# Altium PCB lyaptsev_control_board.PcbDoc (continued)
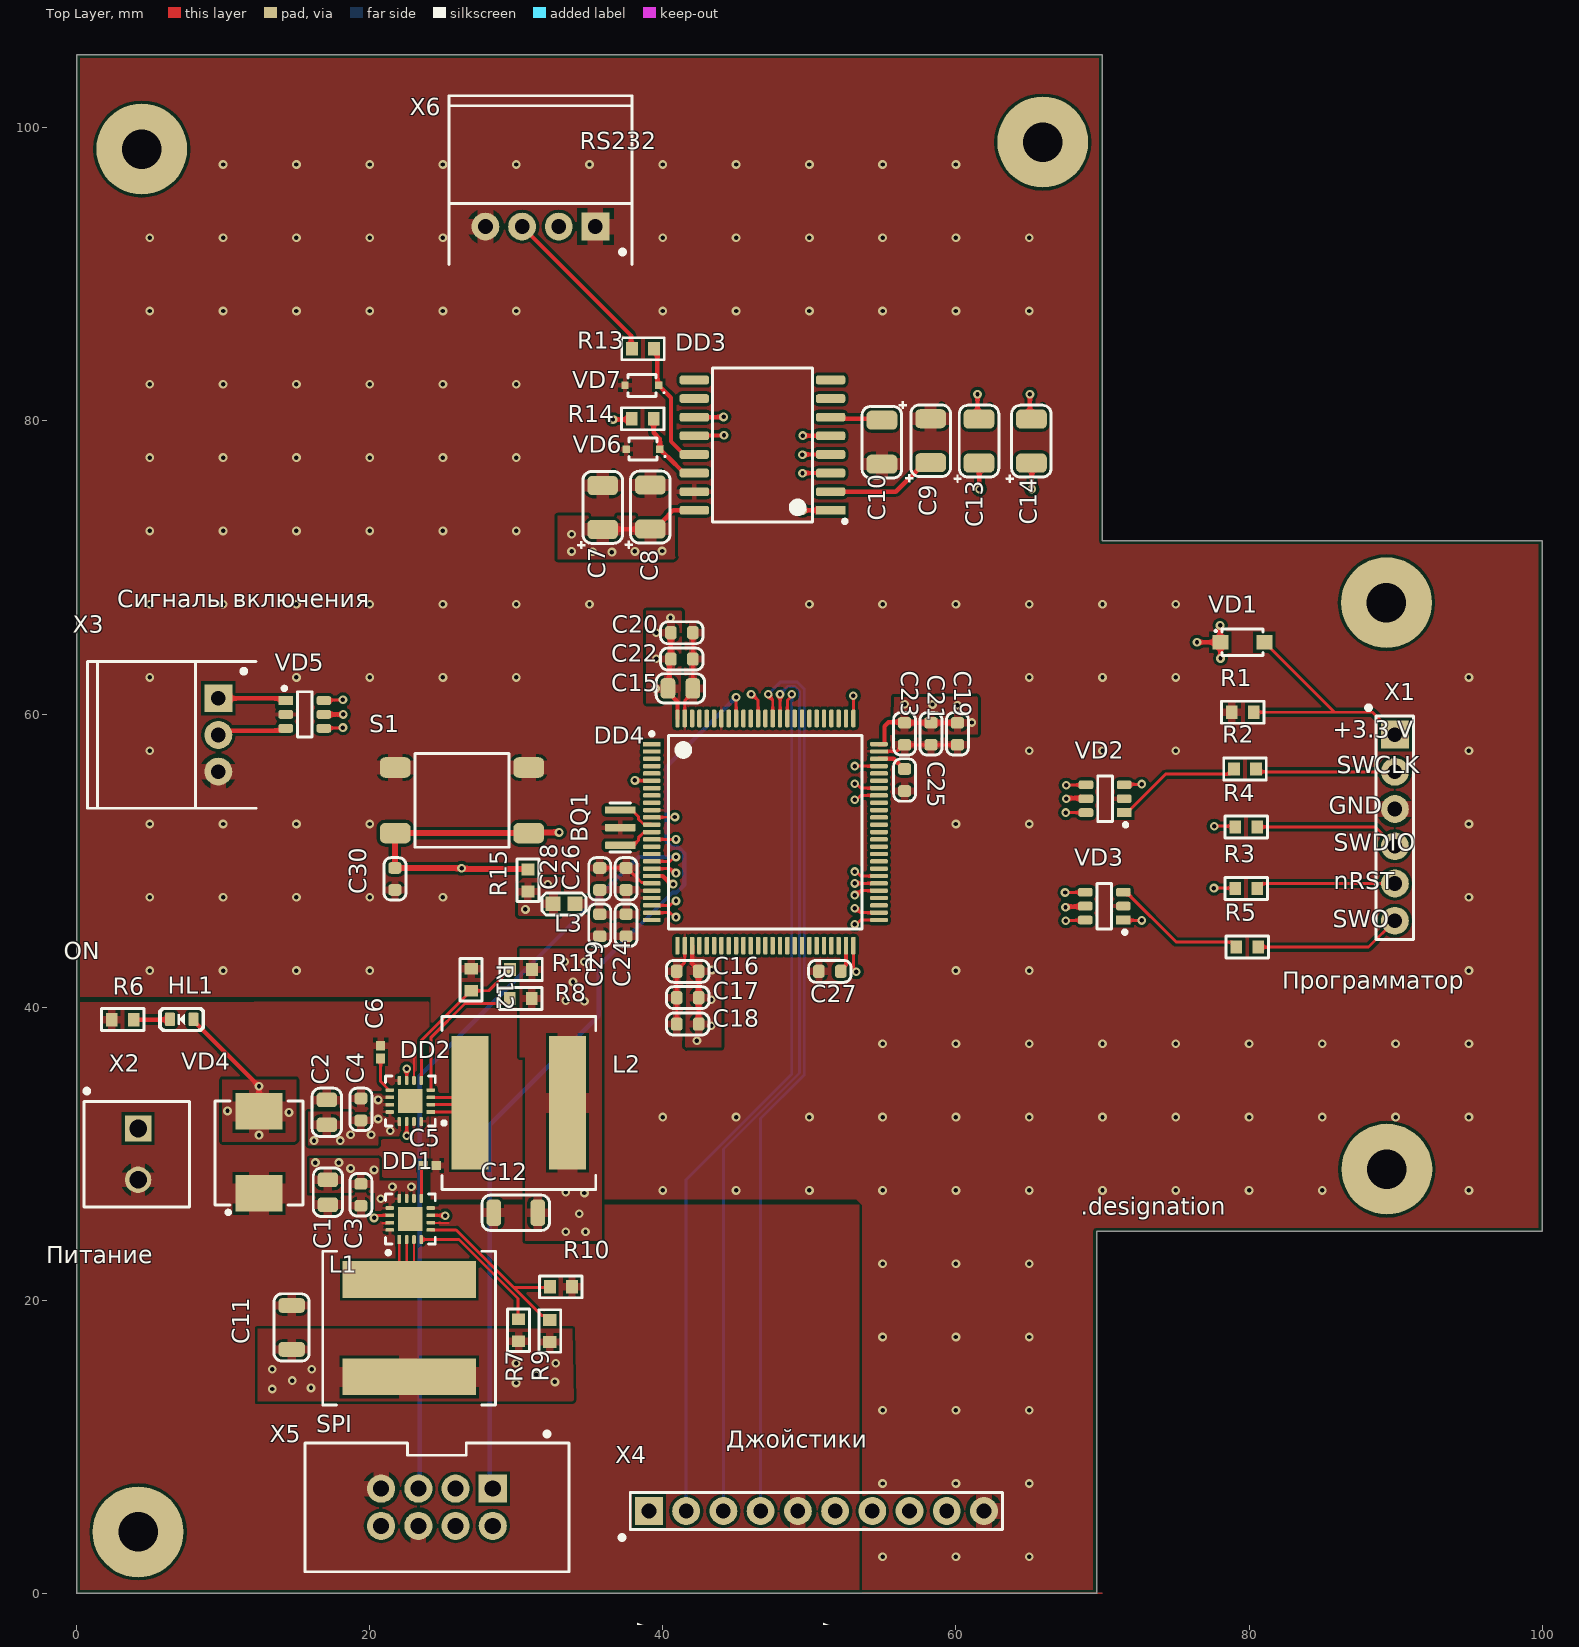
[diagram p0: Top Layer view]
## Design rules (kind name [scope] priority, off if disabled: settings) (continued)
PolygonConnect poly_connect_to_pad<=3 [(AsMM(PadXSize_AllLayers)<=3.01)or(AsMM(PadYSize_AllLayers)<=3.01)] p14: thpad.connectstyle=Relief thpad.reliefconductorwidth=1.6 thpad.reliefentries=4 thpad.polygonreliefangle="90 Angle" thpad.airgapwidth=0.3 smdpad.connectstyle=Relief smdpad.reliefconductorwidth=1.8 smdpad.reliefentries=4 smdpad.polygonreliefangle="90 Angle" smdpad.airgapwidth=0.2 via.connectstyle=Direct via.reliefconductorwidth=0.254 via.reliefentries=4 via.polygonreliefangle="90 Angle" via.airgapwidth=0.254 // Правила подключения полигонов для падов от 3мм и меньше
PolygonConnect poly_connect_to_pad<=7 [(AsMM(PadXSize_AllLayers)<7.01)or(AsMM(PadYSize_AllLayers)<=7.01)] p15: thpad.connectstyle=Relief thpad.reliefconductorwidth=2 thpad.reliefentries=4 thpad.polygonreliefangle="90 Angle" thpad.airgapwidth=0.4 smdpad.connectstyle=Relief smdpad.reliefconductorwidth=2 smdpad.reliefentries=4 smdpad.polygonreliefangle="90 Angle" smdpad.airgapwidth=0.3 via.connectstyle=Direct via.reliefconductorwidth=0.254 via.reliefentries=4 via.polygonreliefangle="90 Angle" via.airgapwidth=0.254 // Правила подключения полигонов для падов от 7мм и меньше
PolygonConnect poly_connect_to_pad [All] p16: thpad.connectstyle=Relief thpad.reliefconductorwidth=0.25 thpad.reliefentries=4 thpad.polygonreliefangle="90 Angle" thpad.airgapwidth=0.2 smdpad.connectstyle=Relief smdpad.reliefconductorwidth=0.25 smdpad.reliefentries=4 smdpad.polygonreliefangle="90 Angle" smdpad.airgapwidth=0.2 via.connectstyle=Direct via.reliefconductorwidth=0.25 via.reliefentries=4 via.polygonreliefangle="90 Angle" via.airgapwidth=0.2 // Правила подключения полигонов общие
RoutingCorners [All] p1 off: cornerstyle=45-Degree minsetback=2.5 maxsetback=2.5
RoutingVias [All] p1: holewidth=0.3 width=0.6 viastyle="Through Hole" minholewidth=0.3 minwidth=0.6 maxholewidth=5.9 maxwidth=6.4
SilkToSilkClearance silk_to_silk_clearance_std [All] p1 off: silktosilkclearance=0.15 // Отступ текста шелкографии от других примитивов шелкографии
SilkToSolderMaskClearance silk_to_solder_mask_clearance_std [IsPad] p1 off: minsilkscreentomaskgap=0.15 clearancetoexposedcopper=FALSE // Минимальное расстояние между элементами шелкографии и вскрытой медью
SolderMaskExpansion solder_mask_expansion_std [All] p1: expansion=0.05 // Припуск паяльной масски
UnRoutedNet [All] p1: checkbadconnections=TRUE
Width width_18um_std [All] p1: maxlimit=10 minlimit=0.125 preferedwidth=0.15 checkconnectedcopper=TRUE // Ширина проводников (общая)
19 further rules are at their usual default settings.

## Classes and differential pairs
component class lyaptsev_control_board_2: C1 C2 C3 C4 C5 C6 C7 C8 C9 C10 C11 C12 C13 C14 DD1 DD2 DD3 HL1 L1 L2 R1 R2 R3 R4 R5 R6 R7 R8 R9 R10 R11 R12 R13 R14 VD1 VD2 VD3 VD4 VD5 VD6 VD7 X1 X2 X3 X4 X5 X6

## Components (designator, comment, footprint, x,y, rotation, side; value= is the part's Value field where it differs from the comment)
BQ1 "CSTCE12M0G52A-R0" CSTCE-3-320X130X70 37.1,52.25 r270 top
C1 "10 мк" C0805 17.15,27.375 r270 top
C2 "10 мк" C0805 17.075,32.825 r90 top
C3 "0,1 мк" C0603 19.4,27.2 r270 top
C4 "0,1 мк" C0603 19.4,33.025 r90 top
C5 "20п" C0402 24.1,29.2 r180 top
C6 "20п" C0402 20.75,36.94 r270 top
C7 "1 мк" C3216-18 35.9,74.1 r90 top
C8 "0,1 мк" C3216-18 39.15,74.125 r90 top
C9 "1 мк" C3216-18 58.275,78.65 r90 top
C10 "1 мк" C3216-18 54.95,78.55 r270 top
C11 "22 мк" C1206 14.675,18.15 r90 top
C12 "22 мк" C1206 29.975,25.975 r180 top
C13 "1 мк" C3216-18 61.575,78.625 r90 top
C14 "1 мк" C3216-18 65.15,78.625 r90 top
C15 "4,7 мк" C0805 41.2,61.75 r0 top
C16 "0,1 мк" C0603 41.7,42.45 r180 top
C17 "0,1 мк" C0603 41.7,40.65 r180 top
C18 "0,1 мк" C0603 41.7,38.85 r180 top
C19 "0,1 мк" C0603 60.1,58.65 r270 top
C20 "0,1 мк" C0603 41.3,65.55 r0 top
C21 "0,1 мк" C0603 58.3,58.65 r270 top
C22 "0,1 мк" C0603 41.3,63.75 r0 top
C23 "0,1 мк" C0603 56.5,58.65 r270 top
C24 "1 мк" C0603 37.5,45.6 r270 top
C25 "2,2 мк" C0603 56.5,55.5 r270 top
C26 "0,01 мк" C0603 37.5,48.75 r90 top
C27 "2,2 мк" C0603 51.4,42.45 r180 top
C28 "1 мк" C0603 35.7,48.75 r90 top
C29 "0,01 мк" C0603 35.7,45.6 r270 top
C30 "0,1 мк" C0603 21.725,48.75 r270 top
DD1 "TLV62130ARGTT" WQFN-16-P50-300X300X100-L40X24-T168X168 22.775,25.55 r90 top
DD2 "TLV62130ARGTT" WQFN-16-P50-300X300X100-L40X24-T168X168 22.775,33.6 r180 top
DD3 "MAX232DW" SOIC-16-P127-1030X750X265-L84X41 46.8,78.35 r180 top
DD4 "STM32F407VGT6" LQFP-100-P50-1400X1400X160-L60X22 47,51.95 r0 top
HL1 "TLMS1000-GS08" HL0603 7.175,39.175 r0 top
L1 "XAL1060-222MEB" XAL-2-1130X1000X600 22.7,18.1 r270 top
L2 "XAL1060-222MEB" XAL-2-1130X1000X600 30.175,33.475 r0 top
L3 "BLM18KG221SH1D" BLM-2-0603 33.26,47.05 r180 top
R1 "10 к" R0603 79.575,60.125 r0 top
R2 "22" R0603 79.725,56.25 r180 top
R3 "22" R0603 79.8,48.1 r180 top
R4 "22" R0603 79.8,52.3 r180 top
R5 "22" R0603 79.875,44.1 r180 top
R6 "750" R0603 3.15,39.15 r0 top
R7 "100 к" R0603 30.165,17.96 r270 top
R8 "100 к" R0603 30.3,40.6 r0 top
R9 "560 к" R0603 32.29,17.91 r270 top
R10 "180 к" R0603 33.05,20.925 r0 top
R11 "910 к" R0603 30.325,42.575 r180 top
R12 "180 к" R0603 26.925,41.875 r90 top
R13 "22" R0603 38.65,84.925 r0 top
R14 "22" R0603 38.625,80.15 r0 top
R15 "10 к" R0603 30.8,48.65 r270 top
S1 "FSM4JSMA" FSM4JSMA 26.3,54.115 r180 top
VD1 "MBR140SFT1G" SOD-123FL-370X165X98 79.55,64.9 r0 top
VD2 "TPD2S017DBVR" SOT-23-6-P95-290X280X145 70.175,54.225 r180 top
VD3 "TPD2S017DBVR" SOT-23-6-P95-290X280X145 70.125,46.9 r180 top
VD4 "1.5SMC62CA" DO-214AB-790X590X262 12.45,30.1 r90 top
VD5 "TPD2S017DBVR" SOT-23-6-P95-290X280X145 15.575,59.975 r0 top
VD6 "SD12C-01FTG" SOD-323-257X130X114 38.65,78.075 r180 top
VD7 "SD12C-01FTG" SOD-323-257X130X114 38.575,82.425 r180 top
X1 "DS1021-1x6SF11-B" DS1021-1X6SF11-B 89.95,52.25 r270 top
X2 "1776275-2" 1776275-2 4.1,29.975 r270 top
X3 "DS1069-3MRW6XA" DS1069-3MRW6XA 6.511,58.575 r270 top
X4 "DS1023-1x10SF11" DS1023-1X10SF11 50.485,5.625 r0 top
X5 "DS1013-08SSIB1-B-0" DS1013-08SSiB1-B-0 24.59,5.88 r180 top
X6 "DS1069-4MRW6XA" DS1069-4MRW6XA 31.65,96.425 r180 top

## Footprints (in the part's own frame and the unit in brackets; to place one, negate y for a bottom-side part, rotate by r counter-clockwise, add the part's x,y. Pads: shape width x height; smd on the part's side, far side on the other; paste and mask are expansions set on the pad)
1776275-2 [mm] "PCB Terminal Blocks, Header, Wire-to-Board, 2 Pins, 3.5mm, 1 Row, Side Wire Entry Angle, 26 – 18AWG Wire Size"
  rect 1.8x1.8 hole 1.2: 1(-1.75,0.1)
  round 1.8 hole 1.2: 2(1.75,0.1)
  silkscreen extent -4.3,-3.6 3.6,3.6, body extent -4,-3.5 4,3.5, height 8.3
BLM-2-0603 [mm] "Chip Inductor, 2-Leads, Body 1,60x0,80mm, IPC Medium Density"
  rect 1.02x0.98 smd: 1(-0.74,0) 2(0.74,0)
  silkscreen extent -1.5,-0.75 1.5,0.75, body extent -0.8,-0.37 0.8,0.38, height 0.8
C0402 [mm] "Chip Capacitor, 2-Leads, Body 1,00x0,50mm, IPC Medium Density"
  rect 0.66x0.62 smd: 1(-0.44,0) 2(0.44,0)
  body extent -0.5,-0.25 0.5,0.25, height 0.5
C0603 [mm] "Chip Capacitor, 2-Leads, Body 1,60x0,80mm, IPC Medium Density"
  rrect50% 0.8x0.9 smd: 1(-0.75,0) 2(0.75,0)
  silkscreen extent -1.45,-0.75 1.45,0.75, body extent -0.8,-0.4 0.8,0.4, height 0.8
C0805 [mm] "Chip Capasitor, 2-Leads, Body 2,00x1,25mm, IPC Medium Density"
  rrect50% 1x1.4 smd: 1(-0.85,0) 2(0.85,0)
  silkscreen extent -1.65,-1 1.65,1, body extent -1,-0.62 1,0.63, height 0.6
C1206 [mm] "Chip Capacitor, 2-Leads, Body 3,20x1,60mm, IPC Medium Density"
  rrect50% 1x1.8 smd: 1(-1.5,0) 2(1.5,0)
  silkscreen extent -2.3,-1.2 2.3,1.2, body extent -1.6,-0.8 1.6,0.8, height 0.78
C3216-18 [mm] "Chip Tantalum Capacitor, 2-Leads, Body 3,20x1,60mm, IPC Medium Density"
  rrect50% 1.3x2.1 smd: 1(-1.5,0) 2(1.5,0)
  Top Layer lines w0.05: 2.425,-0.75 2.45,-0.75
  silkscreen extent -2.8,-1.35 2.45,1.7, body extent -1.7,-0.95 1.7,0.95, height 1.83
CSTCE-3-320X130X70 [mm]
  rrect25% 0.5x2.1 smd paste-0.025 mask+0.1: 1(-1.2,0) 2(0,0) 3(1.2,0)
  silkscreen extent -1.68,-0.7 1.67,0.7, body extent -1.6,-0.65 1.6,0.65, height 0.8
DO-214AB-790X590X262 [mm] "Molded Diode, 2-Leads, Body 7,90x5,90mm, IPC Medium Density"
  rect 2.5x3.2 smd: 1(-2.8,0) 2(2.8,0)
  silkscreen extent -4.22,-3 3.5,3, body extent -3.95,-2.95 3.95,2.95, height 2.59
DS1013-08SSiB1-B-0 [mm] "DS1013-08SSIB1-B-0"
  rect 1.92x1.92 hole 1.1 mask+0.1: 1(-3.81,-1.27)
  round 1.92 hole 1.1 mask+0.1: 2(-3.81,1.27) 3(-1.27,-1.27) 4(-1.27,1.27) 5(1.27,-1.27) 6(1.27,1.27) 7(3.81,-1.27) 8(3.81,1.27)
  silkscreen extent -9,-5.01 9,4.4, body extent -8.98,-4.5 8.98,4.4, height 9
DS1021-1X6SF11-B [mm] "PLS 6 Pins 2,54mm Plug Header V/T Type"
  rect 1.9x1.9 hole 1: 1(-6.35,0)
  round 1.9 hole 1: 2(-3.81,0) 3(-1.27,0)
  round 1.9 hole 1 mask+0.102: 4(1.27,0) 5(3.81,0) 6(6.35,0)
  silkscreen extent -8.18,-1.8 7.62,1.27, body extent -7.62,-1.27 7.62,1.27, height 8.54
DS1023-1X10SF11 [mm] "PBS 10 Pins 2,54mm Socket Header V/T Blanking Type"
  rect 1.9x1.9 hole 1: 1(-11.43,0)
  round 1.9 hole 1: 2(-8.89,0) 3(-6.35,0)
  round 1.9 hole 1 mask+0.102: 4(-3.81,0) 5(-1.27,0) 6(1.27,0) 7(3.81,0) 8(6.35,0) 9(8.89,0) 10(11.43,0)
  silkscreen extent -13.26,-1.8 12.71,1.28, body extent -12.7,-1.27 12.7,1.27, height 8.5
DS1069-3MRW6XA [mm] "CWF 3 Pins Plug Header, Pitch 2,5mm, R/A Type, Type A"
  rect 1.9x1.9 hole 1: 1(-2.5,3.164)
  round 1.9 hole 1: 2(0,3.164) 3(2.5,3.164)
  silkscreen extent -5,-5.76 5,5.74, body extent -5,-5.76 5,5.74, height 5.85
DS1069-4MRW6XA [mm] "CWF 4 Pins Plug Header, Pitch 2,5mm, R/A Type, Type A"
  rect 1.9x1.9 hole 1: 1(-3.75,3.164)
  round 1.9 hole 1: 2(-1.25,3.164) 3(1.25,3.164) 4(3.75,3.164)
  silkscreen extent -6.25,-5.76 6.25,5.74, body extent -6.25,-5.76 6.25,5.74, height 5.85
FSM4JSMA [mm]
  rrect50% 2.1x1.4 smd: 1(-4.55,2.24) 1(4.55,2.24) 2(-4.55,-2.24) 2(4.55,-2.24)
  silkscreen extent -3.2,-3.2 3.2,3.2, body extent -5,-3 5,3, height 5.13
HL0603 [mm] "Chip Resistor, 2-Leads, Body 1,60x0,80mm, IPC Medium Density"
  rrect25% 0.7x0.9 smd: 1(-0.8,0) 2(0.8,0)
  silkscreen extent -1.5,-0.75 1.5,0.75, body extent -0.81,-0.4 0.81,0.4, height 0.64
LQFP-100-P50-1400X1400X160-L60X22 [mm] "LQFP, 100-Leads, Body 14,00x14,00mm, Pitch 0,50mm, IPC Medium Density"
  rect 1.2x0.3 smd: 1(-7.75,6)
  rrect50% 1.2x0.3 smd: 2(-7.75,5.5) 3(-7.75,5) 4(-7.75,4.5) 5(-7.75,4) 6(-7.75,3.5) 7(-7.75,3) 8(-7.75,2.5) 9(-7.75,2) 10(-7.75,1.5) 11(-7.75,1) 12(-7.75,0.5) 13(-7.75,0) 14(-7.75,-0.5) 15(-7.75,-1) 16(-7.75,-1.5) 17(-7.75,-2) 18(-7.75,-2.5) 19(-7.75,-3) 20(-7.75,-3.5) 21(-7.75,-4) 22(-7.75,-4.5) 23(-7.75,-5) 24(-7.75,-5.5) 25(-7.75,-6) 51(7.75,-6) 52(7.75,-5.5) 53(7.75,-5) 54(7.75,-4.5) 55(7.75,-4) 56(7.75,-3.5) 57(7.75,-3) 58(7.75,-2.5) 59(7.75,-2) 60(7.75,-1.5) 61(7.75,-1) 62(7.75,-0.5) 63(7.75,0) 64(7.75,0.5) 65(7.75,1) 66(7.75,1.5) 67(7.75,2) 68(7.75,2.5) 69(7.75,3) 70(7.75,3.5) 71(7.75,4) 72(7.75,4.5) 73(7.75,5) 74(7.75,5.5) 75(7.75,6)
  rrect50% 0.3x1.2 smd: 26(-6,-7.75) 27(-5.5,-7.75) 28(-5,-7.75) 29(-4.5,-7.75) 30(-4,-7.75) 31(-3.5,-7.75) 32(-3,-7.75) 33(-2.5,-7.75) 34(-2,-7.75) 35(-1.5,-7.75) 36(-1,-7.75) 37(-0.5,-7.75) 38(0,-7.75) 39(0.5,-7.75) 40(1,-7.75) 41(1.5,-7.75) 42(2,-7.75) 43(2.5,-7.75) 44(3,-7.75) 45(3.5,-7.75) 46(4,-7.75) 47(4.5,-7.75) 48(5,-7.75) 49(5.5,-7.75) 50(6,-7.75) 76(6,7.75) 77(5.5,7.75) 78(5,7.75) 79(4.5,7.75) 80(4,7.75) 81(3.5,7.75) 82(3,7.75) 83(2.5,7.75) 84(2,7.75) 85(1.5,7.75) 86(1,7.75) 87(0.5,7.75) 88(0,7.75) 89(-0.5,7.75) 90(-1,7.75) 91(-1.5,7.75) 92(-2,7.75) 93(-2.5,7.75) 94(-3,7.75) 95(-3.5,7.75) 96(-4,7.75) 97(-4.5,7.75) 98(-5,7.75) 99(-5.5,7.75) 100(-6,7.75)
  silkscreen extent -7.87,-6.6 6.6,6.82, body extent -8,-8 8,8, height 1.6
R0603 [mm] "Chip Resistor, 2-Leads, Body 1,60x0,80mm, IPC Medium Density"
  rect 0.8x0.9 smd: 1(-0.75,0) 2(0.75,0)
  silkscreen extent -1.45,-0.75 1.45,0.75, body extent -0.77,-0.43 0.78,0.43, height 0.43
SOD-123FL-370X165X98 [mm] "SODFL, 2-Leads, Body 3,70x1,65mm, IPC Medium Density"
  rect 1.1x1 smd: 1(-1.5,0) 2(1.5,0)
  silkscreen extent -1.87,-0.9 1.4,0.9, body extent -1.8,-0.82 1.8,0.83, height 0.95
SOD-323-257X130X114 [mm] "SOD, 2-Leads, Body 2,57x1,30mm, IPC Medium Density"
  rect 0.5x0.5 smd: 1(-1.15,0) 2(1.15,0)
  silkscreen extent -1.55,-0.75 0.95,0.75, body extent -1.3,-0.67 1.3,0.68, height 1.1
SOIC-16-P127-1030X750X265-L84X41 [mm] "SOIC, 16-Leads, Body 10,30x7,50mm, Pitch 1,27mm, IPC Medium Density"
  rect 2x0.6 smd: 1(-4.65,4.445)
  rrect50% 2x0.6 smd: 2(-4.65,3.175) 3(-4.65,1.905) 4(-4.65,0.635) 5(-4.65,-0.635) 6(-4.65,-1.905) 7(-4.65,-3.175) 8(-4.65,-4.445) 9(4.65,-4.445) 10(4.65,-3.175) 11(4.65,-1.905) 12(4.65,-0.635) 13(4.65,0.635) 14(4.65,1.905) 15(4.65,3.175) 16(4.65,4.445)
  silkscreen extent -5.75,-5.25 3.4,5.32, body extent -5.24,-5.17 5.24,5.18, height 2.65
SOT-23-6-P95-290X280X145 [mm] "SOT-23, 6-Leads, Body 2,90x2,80mm, Pitch 0,95mm, IPC Medium Density"
  rect 1x0.6 smd: 1(-1.3,0.95)
  rrect50% 1x0.6 smd: 2(-1.3,0) 3(-1.3,-0.95) 4(1.3,-0.95) 5(1.3,0) 6(1.3,0.95)
  silkscreen extent -1.52,-1.55 0.5,1.9, body extent -1.4,-1.45 1.4,1.45, height 1.45
WQFN-16-P50-300X300X100-L40X24-T168X168 [mm] "WQFN, 16-Leads, Body 3,00x3,00mm, Pitch 0,50mm, Thermal Pad 1,68x1,68mm, IPC Medium Density"
  rect 1.66x1.66 smd: 0(0,0)
  rect 0.6x0.24 smd: 1(-1.4,0.75)
  rrect50% 0.6x0.24 smd: 2(-1.4,0.25) 3(-1.4,-0.25) 4(-1.4,-0.75) 9(1.4,-0.75) 10(1.4,-0.25) 11(1.4,0.25) 12(1.4,0.75)
  rrect50% 0.24x0.6 smd: 5(-0.75,-1.4) 6(-0.25,-1.4) 7(0.25,-1.4) 8(0.75,-1.4) 13(0.75,1.4) 14(0.25,1.4) 15(-0.25,1.4) 16(-0.75,1.4)
  silkscreen extent -2.42,-1.7 1.7,1.7, body extent -1.5,-1.5 1.5,1.5, height 0.8
XAL-2-1130X1000X600 [mm] "Precision Wire Wound Inductor, 2-Leads, Body 10,00x11,30mm, IPC Medium Density"
  rect 2.5x9.1 smd: 1(-3.325,0) 2(3.325,0)
  silkscreen extent -5.25,-5.9 5.25,5.9, body extent -5.25,-5.9 5.25,5.9, height 5.9

## Part data
BQ1: library part bq0001, "=Описание", HelpURL=https://www.murata.com/en-us/products/productdetail?partno=CSTCE12M0G52A-R0, ID=bq0001, Корпус="3,20 x 1,30 x 0,70", Наименование=CSTCE12M0G52A-R0, Описание="Кварцевый резонатор 12 МГц", Производитель="Murata Manufacturing Co., Ltd.", Фамилия=Самарин, Частотa="12 МГц", Частота="12 МГц"
C1 C2: library part c0126, "=Описание", HelpURL=https://www.yageo.com/upload/media/product/productsearch/datasheet/mlcc/UPY-GPHC_X7R_6.3V-to-50V_20.pdf, ID=c0126, Корпус=0805, Наименование=CC0805KKX7R7BB106, Напряжение="16 В", Номинал="10 мк", Номинальное напряжение="16 В", Описание="Конденсатор керамический чип 0805 10 мкФ 16 В ±10 %", Отклонение="±10 %", Производитель="YAGEO Corp.", Рабочие температуры="от –55 °С до +125 °С", Температурный коэффициент емкости=X7R, Фамилия=Паньков
C3 C4: library part c0063, "=Описание", HelpURL=https://www.yageo.com/upload/media/product/productsearch/datasheet/mlcc/UPY-GPHC_X7R_6.3V-to-50V_20.pdf, ID=c0063, Корпус=0603, Наименование=CC0603KRX7R8BB104, Напряжение="25 В", Номинал="0,1 мк", Номинальное напряжение="25 В", Описание="Конденсатор керамический чип 0603 100 нФ 25 В ±10 %", Отклонение="±10 %", Производитель="YAGEO Corp.", Рабочие температуры="от –55 °С до +125 °С", Температурный коэффициент емкости=X7R, Фамилия=Паньков
C5 C6: library part с0038, "=Описание", HelpURL=https://www.yageo.com/upload/media/product/productsearch/datasheet/mlcc/UPY-GP_NP0_16V-to-50V_18.pdf, ID=с0038, Корпус=0402, Наименование=CC0402JRNPO9BN200, Напряжение="50 В", Номинал=20п, Номинальное напряжение="50 В", Описание="Конденсатор чип 0402 20 пФ 25 В ±5 %", Отклонение="±5 %", Производитель="YAGEO Corp.", Рабочие температуры="от -55 °С до +85 °С", Фамилия=Ляпцев
C7 C9 C10 C13 C14: library part c0014, "=Описание", HelpURL=https://www.vishay.com/capacitors/list/product-40002/, ID=c0014, Корпус=3216-18, Наименование=293D105X9025A2TE3, Напряжение="25 В", Номинал="1 мк", Номинальное напряжение="25 В", Описание="Конденсатор танталовый чип 3216-18 1 мкФ 25 В ±10 %", Отклонение="±10 %", Производитель="Vishay Intertechnology, Inc.", Рабочие температуры="от –55 °С до +125 °С", Среднеквадратичный размах пульсации тока="0,10 А", Фамилия=Ларионов, Эквивалентное последовательное сопротивление="7,6 Ом"
C8: library part c0001, "=Описание", HelpURL=https://www.vishay.com/capacitors/list/product-40002/, ID=c0001, Корпус=3216-18, Наименование=293D104X9050A2TE3, Напряжение="50 В", Номинал="0,1 мк", Номинальное напряжение="50 В", Описание="Конденсатор танталовый чип 3216-18 100 нФ 50 В ±10 %", Отклонение="±10 %", Производитель="Vishay Intertechnology, Inc.", Рабочие температуры="от –55 °С до +125 °С", Среднеквадратичный размах пульсации тока="0,06 А", Фамилия=Ларионов, Эквивалентное последовательное сопротивление="19,0 Ом"
C11 C12: library part c0137, "=Описание", HelpURL=https://www.yageo.com/upload/media/product/productsearch/datasheet/mlcc/UPY-GPHC_X5R_4V-to-50V_26.pdf, ID=c0137, Корпус=1206, Наименование=CC1206KKX5R6BB226, Напряжение="10 В", Номинал="22 мк", Номинальное напряжение="10 В", Описание="Конденсатор керамический чип 1206 22 мкФ 10 В ±10 %", Отклонение="±10 %", Производитель="YAGEO Corp.", Рабочие температуры="от –55 °С до +85 °С", Температурный коэффициент емкости=X5R, Фамилия=Паньков
C15: library part c0108, "=Описание", HelpURL=https://www.yageo.com/upload/media/product/productsearch/datasheet/mlcc/UPY-GPHC_X7R_6.3V-to-50V_20.pdf, ID=c0108, Корпус=0805, Наименование=CC0805KKX7R6BB475, Напряжение="10 В", Номинал="4,7 мк", Номинальное напряжение="10 В", Описание="Конденсатор керамический чип 0805 4,7 мкФ 10 В ±10 %", Отклонение="±10 %", Производитель="YAGEO Corp.", Рабочие температуры="от –55 °С до +125 °С", Температурный коэффициент емкости=X7R, Фамилия=Паньков
C16 C17 C18 C19 C20 C21 C22 C23: library part c0054, "=Описание", HelpURL=https://www.yageo.com/upload/media/product/productsearch/datasheet/mlcc/UPY-GPHC_X7R_6.3V-to-50V_20.pdf, ID=c0054, Корпус=0603, Наименование=CC0603KRX7R6BB104, Напряжение="10 В", Номинал="0,1 мк", Номинальное напряжение="10 В", Описание="Конденсатор керамический чип 0603 100 нФ 10 В ±10 %", Отклонение="±10 %", Производитель="YAGEO Corp.", Рабочие температуры="от –55 °С до +125 °С", Температурный коэффициент емкости=X7R, Фамилия=Паньков
C24 C28: library part c0086, "=Описание", HelpURL=https://www.yageo.com/upload/media/product/productsearch/datasheet/mlcc/UPY-GPHC_X7R_6.3V-to-50V_20.pdf, ID=c0086, Корпус=0603, Наименование=CC0603KRX7R6BB105, Напряжение="10 В", Номинал="1 мк", Номинальное напряжение="10 В", Описание="Конденсатор керамический чип 0603 1 мкФ 10 В ±10 %", Отклонение="±10 %", Производитель="YAGEO Corp.", Рабочие температуры="от –55 °С до +125 °С", Температурный коэффициент емкости=X7R, Фамилия=Паньков
C25 C27: library part c0097, "=Описание", HelpURL=https://www.yageo.com/upload/media/product/productsearch/datasheet/mlcc/UPY-GPHC_X7R_6.3V-to-50V_20.pdf, ID=c0097, Корпус=0603, Наименование=CC0603KRX7R6BB225, Напряжение="10 В", Номинал="2,2 мк", Номинальное напряжение="10 В", Описание="Конденсатор керамический чип 0603 2,2 мкФ 10 В ±10 %", Отклонение="±10 %", Производитель="YAGEO Corp.", Рабочие температуры="от –55 °С до +125 °С", Температурный коэффициент емкости=X7R, Фамилия=Чернов
C26 C29: library part c0033, "=Описание", HelpURL=https://www.yageo.com/upload/media/product/productsearch/datasheet/mlcc/UPY-GPHC_X7R_6.3V-to-50V_20.pdf, ID=c0033, Корпус=0603, Наименование=CC0603KRX7R6BB103, Напряжение="10 В", Номинал="0,01 мк", Номинальное напряжение="10 В", Описание="Конденсатор керамический чип 0603 10 нФ 10 В ±10 %", Отклонение="±10 %", Производитель="YAGEO Corp.", Рабочие температуры="от –55 °С до +125 °С", Температурный коэффициент емкости=X7R, Фамилия=Паньков
C30: library part c0057, "=Описание", HelpURL=https://www.yageo.com/upload/media/product/productsearch/datasheet/mlcc/UPY-GPHC_X7R_6.3V-to-50V_20.pdf, ID=c0057, Корпус=0603, Наименование=CC0603KRX7R6BB104, Напряжение="10 В", Номинал="0,1 мк", Номинальное напряжение="10 В", Описание="Конденсатор керамический чип 0603 100 нФ 10 В ±10 %", Отклонение="±10 %", Производитель="YAGEO Corp.", Рабочие температуры="от –55 °С до +125 °С", Температурный коэффициент емкости=X7R, Фамилия=Паньков
DD1 DD2: library part dd0019, "=Описание", HelpURL=https://www.ti.com/product/TLV62130, ID=dd0019, Входное напряжение="от 3 В до 17 В", Выходное напряжение="от 0,9 до 5,25 В", Коммутируемый ток="до 3 А", Корпус=WQFN-16, Наименование=TLV62130ARGTT, Описание="Понижающий преобразователь напряжения 17 В и 3 А", Производитель="Texas Instruments Inc.", Рабочие температуры="от –40 °С до +85 °С", Фамилия=Самарин, Частота переключения="от 1,25 МГц до 2,5 МГц"
DD3: library part dd0014, "=Описание", HelpURL=https://www.ti.com/product/MAX232, ID=dd0014, Корпус=SOIC-16, Наименование=MAX232DW, Описание="Приемопередатчик RS-232", Производитель="Texas Instruments Inc.", Рабочие температуры="от 0 до +70 °C", Фамилия=Паньков
DD4: library part dd0001, "=Описание", HelpURL=https://www.st.com/en/microcontrollers-microprocessors/stm32f407vg.html, ID=dd0001, Корпус=LQFP-100, Максимальная тактовая частота="168 МГц", Наименование=STM32F407VGT6, Описание="ARM Cortex-M4 32-разрядный микроконтроллер 168 МГц 1 Мбайт FLASH-памяти", Поддерживаемые интерфейсы="CAN, I2C, SDIO, I2S/SPI, UART/USART, USB", Производитель=STMicroelectronics, Рабочее напряжение="от 1,8 В до 3,6 В", Рабочие температуры="от –40 °С до +85 °С", Фамилия=Паньков
HL1: library part hl0001, "=Описание", HelpURL=https://www.vishay.com/leds/list/product-83172/, ID=hl0001, Корпус=0603, Наименование=TLMS1000-GS08, Номинальная длина волны="628 нм", Номинальная сила света="4 мкд", Номинальное падение напряжения="1,8 В", Номинальный прямой ток="15 мА", Описание="Светодиод чип 0603 красный", Производитель="Vishay Intertechnology, Inc.", Рабочие температуры="от –40 °С до +100 °С", Рассеиваемая мощность="40 мВт", Фамилия=Ларионов, Цвет=Красный
L1 L2: library part l0002, "=Описание", HelpURL=https://www.coilcraft.com/en-us/products/power/shielded-inductors/molded-inductor/xal/xal1060/, ID=l0002, Индуктивность="2,2 мкГн", Корпус="11,3 x 10,0 x 6,0", Максимальное активное сопротивление="4,95 мОм", Наименование=XAL1060-222MEB, Номинал="2,2 мкГн", Номинальное активное сопротивление="4,5 мОм", Номинальный ток (при нагреве на 20 °С/40 °С)="13,9 А", Описание="Катушка индуктивности 2,2 мкГн ±20 %", Отклонение="±20 %", Производитель="Coilcraft, Inc.", Рабочее напряжение="от 0 В до 60 В", Рабочие температуры="от –40 °С до +125 °С", Резонансная частота="25 МГц", Ток насыщения="32 А", Фамилия=Ларионов
L3: library part l0001, "=Описание", HelpURL=https://www.murata.com/en-global/products/productdetail?partno=BLM18KG221SH1%23, ID=l0001, Корпус=0603, Наименование=BLM18KG221SH1D, Описание="Ферритовая бусина 220 Ом ±25 %", Отклонение, 100 МГц="±25 %", Производитель="Murata Manufacturing Co., Ltd.", Рабочие температуры="от –55 °С до +125 °С", Сопротивление, 100 МГц="220 Ом", Сопротивление при постоянном токе="0,05 Ом", Фамилия=Ларионов